# Allegro board A733_PRO2_AXP318_LPDDR4_4X_200BALL_32X1_V1_1.brd (continued)
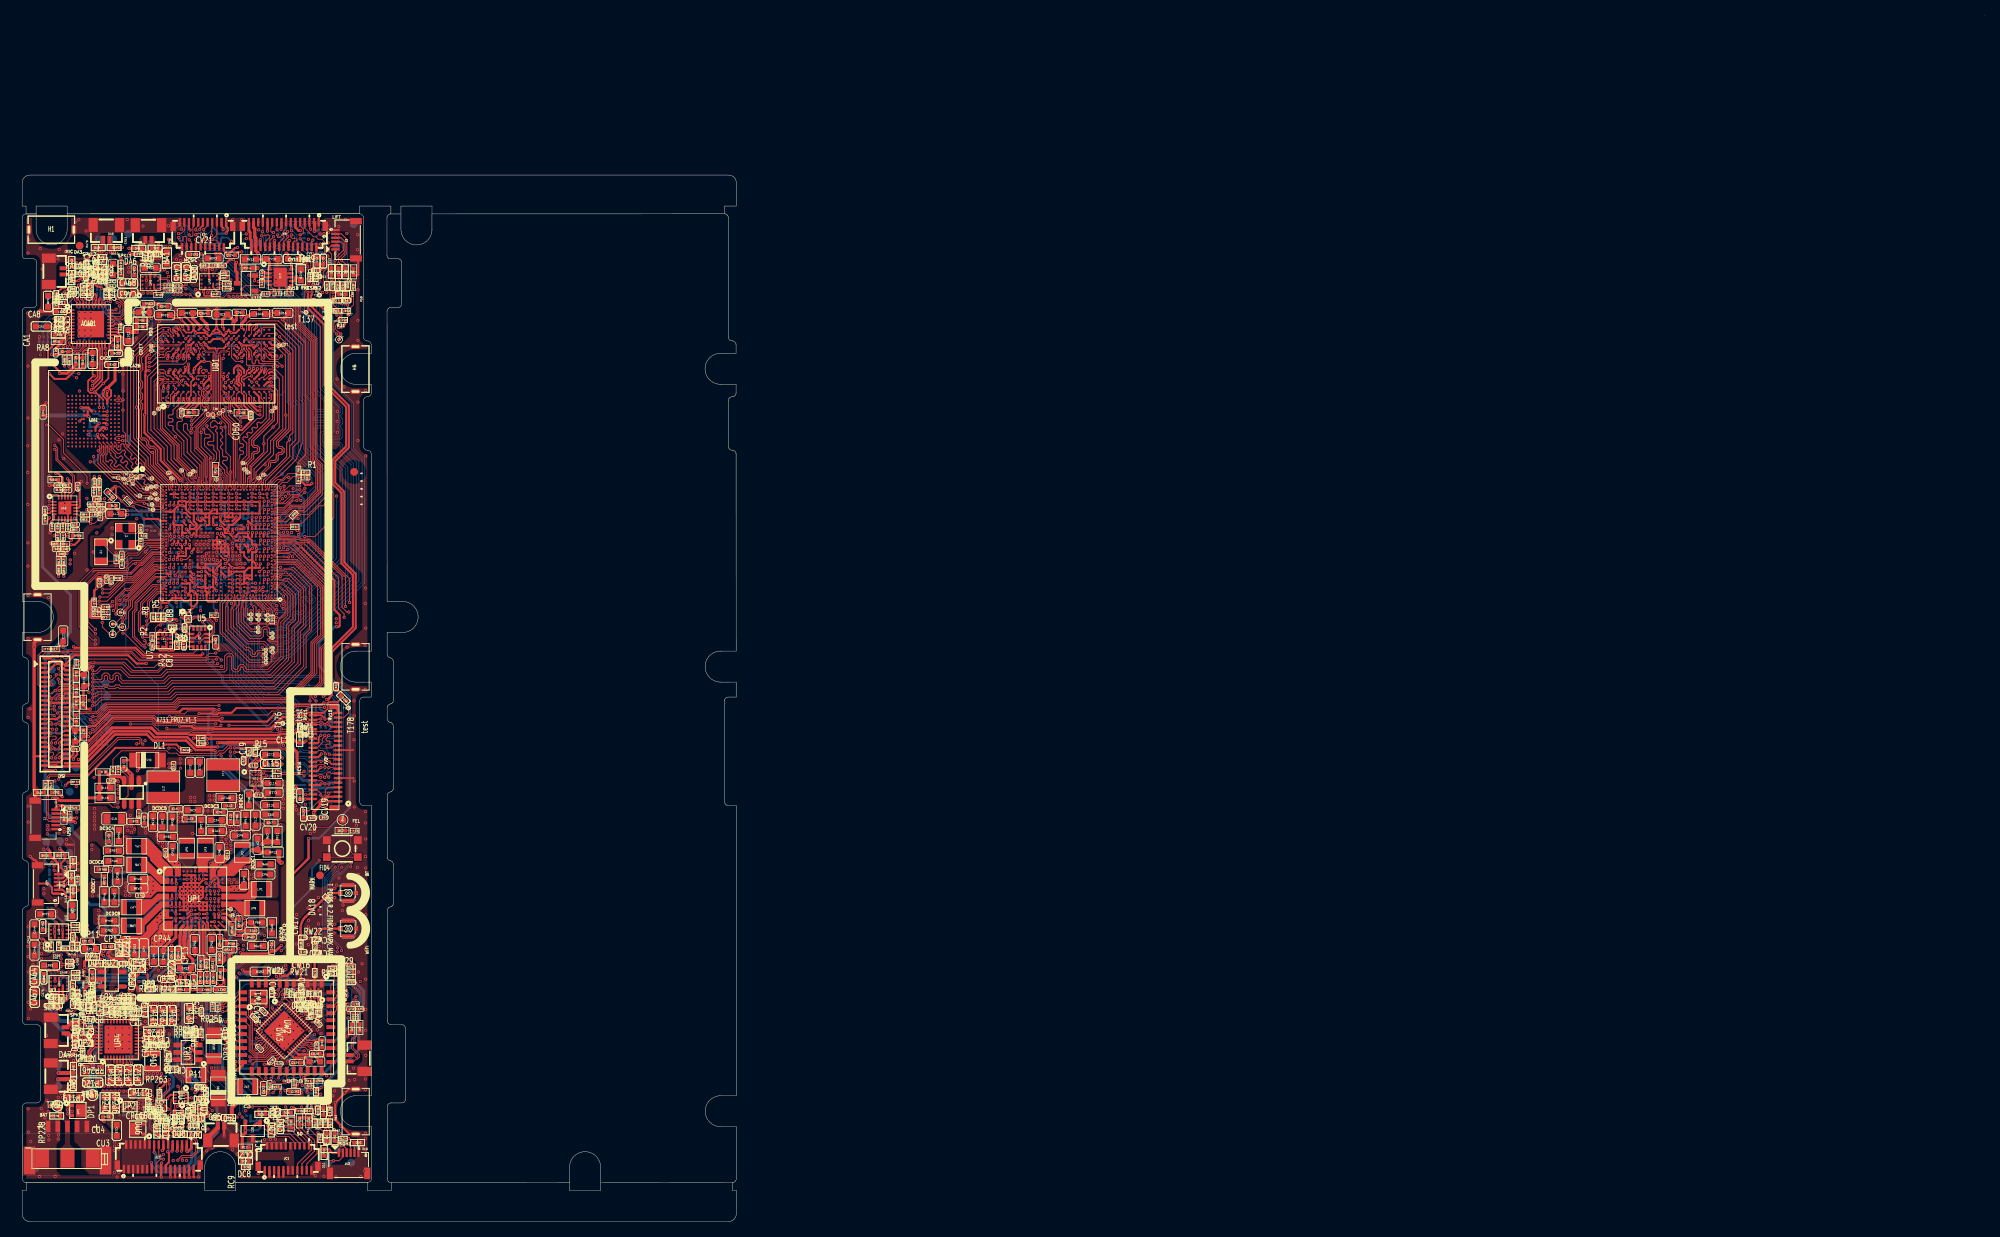
[diagram p0: board, top side]
## Placement (name value [footprint] x y rotation side) (continued)
TP57  VBAT  [TP100]  9.06 16.29 0 top
TP58  GND  [TP100]  1.71 6.83 180 bottom
TP59  TS  [TP100]  4.53 14.93 0 top
TP60  TP-SPI-MISO  [TP100]  8.11 70.22 180 bottom
TP61  TP-SPI-MOSI  [TP100]  3.83 71.21 180 bottom
TP62  TP-SPI-CLK  [TP100]  6.88 69.57 180 bottom
TP63  TP-SPI-CS0  [TP100]  3.86 69.48 180 bottom
TP64  TP-RST  [TP100]  6.89 67.99 180 bottom
TP65  TP-INT  [TP100]  6.67 66.46 180 bottom
TP66  TP-SDA  [TP100]  6.13 55.46 180 bottom
TP67  TP-SCK  [TP100]  4.35 55.82 180 bottom
TP68  0  [TP100]  10.73 69.4 180 bottom
TP69  0  [TP100]  8.31 71.61 180 bottom
TP70  0  [TP100]  10.94 67.8 180 bottom
TP71  0  [TP100]  10.48 66.36 180 bottom
TP72  0  [TP100]  11.12 65.01 180 bottom
TP73  0  [TP100]  11.13 63.36 180 bottom
TP74  0  [TP100]  5.74 60.15 180 bottom
TP75  0  [TP100]  5.9 61.94 180 bottom
TP76  0  [TP100]  6.95 58.56 180 bottom
TP77  0  [TP100]  5.18 57.85 180 bottom
TP97  HP-DET  [TP100]  6.6 43.71 180 bottom
TP98  HPOUTFB  [TP100]  4.9 49.07 180 bottom
TP99  HPOUTR  [TP100]  6.07 47.57 180 bottom
TP100  HS-MIC  [TP100]  6.18 41.19 180 bottom
TP101  HPOUTL  [TP100]  3.11 48.98 180 bottom
U1  A733-V0.1  [BGA570P40_50B1500_1500HXXX]  25.37 87.6 180 top
U2  QMI8658A/ICM-42670-P  [LGA14P50B250_300H81]  22.85 75.3 270 top
U5  MMC5603NJ  [BGA4P40B82_82H57]  21.39 77.76 0 top
U7  DA215S/MC3433  [LGA12P50B200_200H100]  18.34 74.94 270 top
UA1  AC101  [QFN40P0_40B5_00X5_00H0_75]  8.86 115.78 0 top
UA2  AW87391  [BGA16P50B200_250H55]  24.13 121.26 90 top
UA3  AW87391  [BGA16P50B200_250H55]  4.72 37.36 90 top
UA4  AW87391  [BGA16P50B200_250H55]  4.74 30.69 90 top
UA5  AW87391  [BGA16P50B200_250H55]  16.52 121.13 90 top
UA6  AC107  [QFN20P40B300_300H75]  5.51 92.06 0 top
UD1  LPDDR4_FBGA200  [BGA200P65_80B1000_1500H90]  25.03 110.65 90 top
UL1  OCP2131WPAD-G  [BGA15P40B144_200H63]  30.09 57.19 0 top
UL2  STI9287C  [SOT23-6]  14.1 55.37 180 top
UM1  eMMC_153BALL  [BGA153P50B1150_1300H109]  9.21 103.26 180 top
UNK*  *  [unnamed]  42.81 96.71 270 top
UNK*#2  *  [unnamed]  7.41 125.9 270 top
UP1  AXP318-WBBGA  [BGA147P50B800_800H113]  22.32 41.67 0 top
UP2  BCT72905/AW3291X  [FCQFN12P40B130_180H55]  13.92 14.81 0 top
UP3  LP6216  [SOT6P95B160_290H145]  21.38 21.82 180 top
UP4  AXP515  [QFN41P40B500_500H85]  12.43 23.49 90 top
UP5  NC/HUSB311  [BGA9P40B135_140H58]  17.94 14.96 90 top
UU1  WS4603E  [SOT23-5]  11.54 31.26 0 top
UU2  WAS4766C  [BGA9P40B117_117H58D5]  23.25 14.47 270 top
UU3  SGM7237B  [QFN10P40B140_180H55]  20.44 15.95 270 top
UV1  SGM3141B  [DFN11P50B300_300H75]  33.29 121.83 0 top
UW1  SLFD18-5R950G-07T  [DPX6P50B60_160H80]  37.71 29.4 180 top
UW2  AW8X9X  [SUB_WIFI44B1200_1200H150]  34.11 25.07 270 top
UW3  AIC8800D80  [QFN49P35B500_500H85]  33.8 24.57 315 top
Y1  24M/19.2M/26M-20pF-10ppm  [X4B250_320H120_SMD]  13.32 88.43 180 top
Y2  32.768K-12.5pF-20ppm  [X2B150_320H75_SMD]  10.16 86.41 270 top
YW1  40MHz  [X4B165_205H45_SMD]  30.49 28.95 90 top

## Library data of the parts
BA1 BA2 = INDUCTOR_0
C1 C3-C89 C92 C93 C95-C97 C108-C111 C116 C125 C128-C135 C257-C259 CA3 CA5-CA7 CA9 CA12 CA15 CA16 CA19 CA20 CA22 CA24 CA28-CA102 CD1-CD58 CM1-CM8 CP112 CP115 CP121 CP130 CP136 CP138 CP139 CU4-CU6 CV1-CV7 CV10-CV26 CW1 CW2 CW5-CW13 CW15-CW17 CW19-CW32 = C-C0402
CA1 CA2 CA10 CA11 CA18 = CAPACITOR_0: room: POWER
CA4 CA13 CA14 CA17 CA23 CA25 CA26 = CAPACITOR_0: room: AC100
CA8 CA21 CA27 CP1-CP4 CP6-CP8 CP10-CP13 CP15 CP17 CP20-CP25 CP28-CP33 CP35 CP37 CP38 CP40 CP41 CP43 CP44 CP46 CP48-CP51 CP55 CP56 CP58 CP103 CP116-CP120 CP122-CP127 CP129 CP132-CP135 CP137 CP140-CP143 CU1-CU3 = C-C0603
CC1 = C-C0402-X5R_0
CC2 = C-C0603-X5R_1
CL1 CL3-CL7 CL9-CL20 CV8 CV9 = CAPACITOR_0
CP5 CP9 CP18 CP27 CP34 CP39 CP47 CP52 CP59 = C-C0805
D1-D5 D7-D12 DA5-DA12 DC1-DC8 DL2-DL7 DU1-DU4 DU7-DU12 = ESD9B5VL
D6 = DIO-XBS104S14
DA1-DA4 DA13-DA18 = ESD9B5VL_0
DL1 DP3 = D_1
DP1 DU6 = DIODE SCHOTTKY_1
DP2 = LED-0805-G
FID1-FID4 = T POINT R_2: Tolerance: *; User Part Number: *
H1-H5 = CONN PWR 2-J_0
J1 JA7 = CLAP070LF02CW_5: User Part Number: #REF
J2 J12 = CLAP070LF02CW_13: User Part Number: #REF
J3-J10 J13 J14 = CON5
J11 = MOTOR AC_0
JA1-JA6 = CONN RCPT 1_1
JC1 = CLAP070LF02CW_6
JL1 = CON51PIN_CTP_1
JP1 = J_BAT
JP2 = J_BAT_TS
JU1 = CLAP070LF02CW_0
JV1 = HEADER 31_0
JV2 = FPC-39P-0.3MM
JV3 = FPC-21P-0.3MM
JW1 JW2 = ANT-IPX_2
K1 = MTP1112E_0
LL1 LL2 LP1-LP9 LW3-LW5 = INDUCTOR
LP10 = L-L3225
LP11 = L_4012
LU1 = ICMS212B900MFR_0: signal model: ICMS212B900MFR_0_LC4B120_200H12_NC/CMF0806UD900MFR
LW1 LW2 = INDUCTORS OF FERRITE
QC1 = PMOS-STS2301
QV1 = MOSFET N
R1 R6 R15 R17 R19 R28-R34 R36-R40 R42-R44 R46 R52 R53 R70 R71 RA5 RA7 RA11 RA13 RA19 RA21 RA23 RA25 RA30-RA36 RA39-RA60 RA64 RA72-RA98 RA100-RA103 RC3 RC4 RC6 RD1 RD2 RL34 RL35 RM2-RM6 RP3-RP5 RP8-RP10 RP19 RP22 RP23 RP29 RP32 RP33 RP36 RP38 RP55-RP57 RP225 RP228 RP234 RP236 RP237 RP240 RP243-RP245 RP247-RP250 RP253-RP259 RP261 RP263 RP265 RP266 RP271 RP272 RU1 RU2 RU5-RU7 RU9 RU10 RU14 RU15 RV1-RV11 RV13 RV14 RV16 RV19 RV22-RV26 RW4 RW9-RW15 RW17 RW18 RW21 RW22 RW24-RW29 RW31-RW38 RW60-RW62 = R-R0402-5%
R2 R5 R7 R9 R25-R27 R49-R51 R57-R64 RA61-RA63 RA65-RA69 RP6 RP11 RP13 RP14 RP17 RP24 RP30 RP41 RP45 RP49 RP54 RP267-RP270 = R-R0603-1%
R3 R4 R8 R10-R14 R18 R21-R24 R48 R66-R68 R72-R75 RD3-RD5 RM9 RP15 RP20 RU8 RV12 RV21 = R-R0402-1%
RA1-RA4 RA6 RA8-RA10 RA12 RA14-RA18 RA20 RA26-RA29 RA99 = R: room: AC100
RC1 RW1 = R-R0402-5%: signal model: R-R0402-5%_R0201_33R_33R
RC2 = R-R0603-5%_0
RC5 RC7-RC9 = R-R0402-5%_0
RL5 RL7-RL9 RL11 RL13 RL15-RL23 RL42 RL43 = RESISTOR
RL24-RL27 RL30-RL33 RL36-RL38 RL44 RL45 RL47 RL48 RV15 RV17 RV18 RV20 = R
RM1 = R-R0402-1%: signal model: R-R0402-1%_R0201_33R_33R
RP2 RP7 RP21 RP28 RP39 RP42 RP50 RP53 RP127 RP220 RP242 = R-R0603-1%_2
RP246 = SMR0805
RP251 RP252 = R-R0402-5%: signal model: R-R0402-5%_R0201_NC/470R_NC/470R
RU3 RU4 RU17 RU18 = R-R0402-5%: signal model: R-R0402-5%_R0201_0R_0R
RU11 RU12 = R-R0402-5%: signal model: R-R0402-5%_R0201_5.1R_5.1R
RU34 RU35 = R-R0402-5%: signal model: R-R0402-5%_R0201_NC/0R_NC/0R
T1-T44 T55-T62 T64-T113 T128-T178 = TestPoint-on wire
TP10 TP12 TP13 TP21-TP54 TP56-TP77 TP97-TP101 = TestPoint-SMD
U1 = A733-V1.0
U2 = ICM-42670-P
U5 = AK09918C
U7 = MC3433
UA1 = AC101&AC101B V0.2
UA2-UA5 = AW87391
UA6 = AC107s_standard_0
UD1 = LPDDR4_FBGA200
UL1 = uPC8236T6N_2
UL2 = AP3031_0: Tolerance: RichardLC
UM1 = eMMC_153BALL
UP1 = AXP318-WBBGA
UP2 = BCT72901
UP3 = LP6216
UP4 = AW1760_6
UP5 = HUSB311
UU1 = SY6280
UU2 = WAS4766C
UU3 = SGM7237B: signal model: SGM7237B_QFN10P40B140_180H55_SG_SGM7237B
UV1 = SGM3141_0
UW1 = DPX_1
UW2 = MODULE_AP6XXX_0
UW3 = AIC8800D80_0
Y1 = CRY-24MHz-3225-SMD
Y2 = CRY-32_0.768KHz-2X6-DIP
YW1 = Crystal_1

## Footprints (pads in the part's own frame, mm; a bottom-side part is the same pattern mirrored in y, then rotated)
45PIN_UD_FPC_863
  rect 0.3x0.8 smd: 1(0,0) 3(0.6,0) 5(1.2,0) 7(1.8,0) 9(2.4,0) 11(3,0) 13(3.6,0) 15(4.2,0) 17(4.8,0) 19(5.4,0) 21(6,0) 23(6.6,0) 25(7.2,0) 27(7.8,0) 29(8.4,0) 31(9,0) 33(9.6,0) 35(10.2,0) 37(10.8,0) 39(11.4,0) 41(12,0) 43(12.6,0) 45(13.2,0)
  rect 0.3x0.65 smd: 2(0.3,2.875) 4(0.9,2.875) 6(1.5,2.875) 8(2.1,2.875) 10(2.7,2.875) 12(3.3,2.875) 14(3.9,2.875) 16(4.5,2.875) 18(5.1,2.875) 20(5.7,2.875) 22(6.3,2.875) 24(6.9,2.875) 26(7.5,2.875) 28(8.1,2.875) 30(8.7,2.875) 32(9.3,2.875) 34(9.9,2.875) 36(10.5,2.875) 38(11.1,2.875) 40(11.7,2.875) 42(12.3,2.875) 44(12.9,2.875)
  rect 0.3x1.15 smd: 46(13.85,0.375) 47(-0.65,0.375)
BAT_SMD-3
  rect 1.78x2.29 smd: 1(-3.27,0) 2(0,0) 3(3.27,0)
BGA4P40B82_82H57
  round 0.25 smd: A1(-0.2,0.2) A2(0.2,0.2) B1(-0.2,-0.2) B2(0.2,-0.2)
BGA9P40B117_117H58D5
  custom 0.21x0.249 smd: A1(-0.4,0.4) A2(0,0.4)
  round 0.25 smd: A3(0.4,0.4) B1(-0.4,0) B2(0,0) B3(0.4,0) C1(-0.4,-0.4) C2(0,-0.4) C3(0.4,-0.4)
BGA9P40B135_140H58
  round 0.25 smd: A1(-0.4,0.4) A2(0,0.4) B1(-0.4,0) B2(0,0) C1(-0.4,-0.4) C2(0,-0.4) C3(0.4,-0.4)
  custom 0.249x0.21 smd: A3(0.4,0.4) B3(0.4,0)
BGA15P40B144_200H63
  round 0.25 smd: A1(-0.4,0.8) A2(0,0.8) B1(-0.4,0.4) B2(0,0.4) C1(-0.4,0) C2(0,0) D1(-0.4,-0.4) D2(0,-0.4) E1(-0.4,-0.8) E2(0,-0.8) E3(0.4,-0.8)
  custom 0.25x0.2 smd: A3(0.4,0.8) B3(0.4,0.4) C3(0.4,0) D3(0.4,-0.4)
BGA16P50B200_250H55
  round 0.24 smd: A1(-0.75,1) A2(-0.25,1) A3(0.25,1) A4(0.75,1) B1(-0.75,0.5) B4(0.75,0.5) C1(-0.75,0) C3(0.25,0) C4(0.75,0) D1(-0.75,-0.5) D2(-0.25,-0.5) D4(0.75,-0.5) E1(-0.75,-1) E2(-0.25,-1) E3(0.25,-1) E4(0.75,-1)
BGA147P50B800_800H113
  round 0.27 smd: A1(-3.5,3.5) A2(-3,3.5) A3(-2.5,3.5) A4(-2,3.5) A5(-1.5,3.5) A6(-1,3.5) A7(-0.5,3.5) A8(0,3.5) A9(0.5,3.5) A10(1,3.5) A11(1.5,3.5) A12(2,3.5) A13(2.5,3.5) A14(3,3.5) A15(3.5,3.5) B1(-3.5,3) B2(-3,3) B3(-2.5,3) B4(-2,3) B5(-1.5,3) B7(-0.5,3) B8(0,3) B9(0.5,3) B11(1.5,3) B12(2,3) B13(2.5,3) B14(3,3) B15(3.5,3) C1(-3.5,2.5) C2(-3,2.5) C3(-2.5,2.5) C5(-1.5,2.5) C11(1.5,2.5) C12(2,2.5) C13(2.5,2.5) C15(3.5,2.5) D1(-3.5,2) D5(-1.5,2) D7(-0.5,2) D9(0.5,2) D14(3,2) D15(3.5,2) E1(-3.5,1.5) E2(-3,1.5) E3(-2.5,1.5) E4(-2,1.5) E6(-1,1.5) E8(0,1.5) E10(1,1.5) E11(1.5,1.5) E12(2,1.5) E13(2.5,1.5) E14(3,1.5) E15(3.5,1.5) F1(-3.5,1) F2(-3,1) F3(-2.5,1) F5(-1.5,1) F7(-0.5,1) F9(0.5,1) F15(3.5,1) G1(-3.5,0.5) G2(-3,0.5) G3(-2.5,0.5) G4(-2,0.5) G6(-1,0.5) G8(0,0.5) G10(1,0.5) G11(1.5,0.5) G12(2,0.5) G13(2.5,0.5) G14(3,0.5) G15(3.5,0.5) H1(-3.5,0) H5(-1.5,0) H7(-0.5,0) H9(0.5,0) H15(3.5,0) J1(-3.5,-0.5) J2(-3,-0.5) J3(-2.5,-0.5) J4(-2,-0.5) J6(-1,-0.5) J8(0,-0.5) J10(1,-0.5) J11(1.5,-0.5) J12(2,-0.5) J13(2.5,-0.5) J14(3,-0.5) J15(3.5,-0.5) K1(-3.5,-1) K5(-1.5,-1) K7(-0.5,-1) K9(0.5,-1) K15(3.5,-1) L1(-3.5,-1.5) L2(-3,-1.5) L3(-2.5,-1.5) L4(-2,-1.5) L6(-1,-1.5) L8(0,-1.5) L10(1,-1.5) L11(1.5,-1.5) L12(2,-1.5) L13(2.5,-1.5) L14(3,-1.5) L15(3.5,-1.5) M1(-3.5,-2) M4(-2,-2) M6(-1,-2) M8(0,-2) M10(1,-2) M15(3.5,-2) N1(-3.5,-2.5) N2(-3,-2.5) N4(-2,-2.5) N6(-1,-2.5) N8(0,-2.5) N10(1,-2.5) N13(2.5,-2.5) N14(3,-2.5) N15(3.5,-2.5) P1(-3.5,-3) P2(-3,-3) P3(-2.5,-3) P4(-2,-3) P5(-1.5,-3) P6(-1,-3) P7(-0.5,-3) P8(0,-3) P9(0.5,-3) P10(1,-3) P11(1.5,-3) P12(2,-3) P14(3,-3) P15(3.5,-3) R1(-3.5,-3.5) R2(-3,-3.5) R3(-2.5,-3.5) R5(-1.5,-3.5) R7(-0.5,-3.5) R8(0,-3.5) R10(1,-3.5) R12(2,-3.5) R13(2.5,-3.5) R14(3,-3.5) R15(3.5,-3.5)
BGA153P50B1150_1300H109
  oval 0.195x0.321 smd: A1(-3.25,3.25) A2(-2.75,3.25) A3(-2.25,3.25) A4(-1.75,3.25) A5(-1.25,3.25) A6(-0.75,3.25) A7(-0.25,3.25) A8(0.25,3.25) A9(0.75,3.25) A10(1.25,3.25) A11(1.75,3.25) A12(2.25,3.25) A13(2.75,3.25) P2(-2.75,-3.25) P3(-2.25,-3.25) P4(-1.75,-3.25) P5(-1.25,-3.25) P6(-0.75,-3.25) P7(-0.25,-3.25) P8(0.25,-3.25) P9(0.75,-3.25) P10(1.25,-3.25) P11(1.75,-3.25) P12(2.25,-3.25) P13(2.75,-3.25) P14(3.25,-3.25)
  oval 0.321x0.195 smd: A14(3.25,3.25) B1(-3.25,2.75) B14(3.25,2.75) C1(-3.25,2.25) C14(3.25,2.25) D1(-3.25,1.75) D14(3.25,1.75) E1(-3.25,1.25) E14(3.25,1.25) F1(-3.25,0.75) F14(3.25,0.75) G1(-3.25,0.25) G14(3.25,0.25) H1(-3.25,-0.25) H14(3.25,-0.25) J1(-3.25,-0.75) J14(3.25,-0.75) K1(-3.25,-1.25) K14(3.25,-1.25) L1(-3.25,-1.75) L14(3.25,-1.75) M1(-3.25,-2.25) M14(3.25,-2.25) N1(-3.25,-2.75) N14(3.25,-2.75) P1(-3.25,-3.25)
  round 0.25 smd: B2(-2.75,2.75) B3(-2.25,2.75) B4(-1.75,2.75) B5(-1.25,2.75) B6(-0.75,2.75) B7(-0.25,2.75) B8(0.25,2.75) B9(0.75,2.75) B10(1.25,2.75) B11(1.75,2.75) B12(2.25,2.75) B13(2.75,2.75) C2(-2.75,2.25) C3(-2.25,2.25) C4(-1.75,2.25) C5(-1.25,2.25) C6(-0.75,2.25) C7(-0.25,2.25) C8(0.25,2.25) C9(0.75,2.25) C10(1.25,2.25) C11(1.75,2.25) C12(2.25,2.25) C13(2.75,2.25) D2(-2.75,1.75) D3(-2.25,1.75) D4(-1.75,1.75) D12(2.25,1.75) D13(2.75,1.75) E2(-2.75,1.25) E3(-2.25,1.25) E5(-1.25,1.25) E6(-0.75,1.25) E7(-0.25,1.25) E8(0.25,1.25) E9(0.75,1.25) E10(1.25,1.25) E12(2.25,1.25) E13(2.75,1.25) F2(-2.75,0.75) F3(-2.25,0.75) F5(-1.25,0.75) F10(1.25,0.75) F12(2.25,0.75) F13(2.75,0.75) G2(-2.75,0.25) G3(-2.25,0.25) G5(-1.25,0.25) G10(1.25,0.25) G12(2.25,0.25) G13(2.75,0.25) H2(-2.75,-0.25) H3(-2.25,-0.25) H5(-1.25,-0.25) H10(1.25,-0.25) H12(2.25,-0.25) H13(2.75,-0.25) J2(-2.75,-0.75) J3(-2.25,-0.75) J5(-1.25,-0.75) J10(1.25,-0.75) J12(2.25,-0.75) J13(2.75,-0.75) K2(-2.75,-1.25) K3(-2.25,-1.25) K5(-1.25,-1.25) K6(-0.75,-1.25) K7(-0.25,-1.25) K8(0.25,-1.25) K9(0.75,-1.25) K10(1.25,-1.25) K12(2.25,-1.25) K13(2.75,-1.25) L2(-2.75,-1.75) L3(-2.25,-1.75) L12(2.25,-1.75) L13(2.75,-1.75) M2(-2.75,-2.25) M3(-2.25,-2.25) M4(-1.75,-2.25) M5(-1.25,-2.25) M6(-0.75,-2.25) M7(-0.25,-2.25) M8(0.25,-2.25) M9(0.75,-2.25) M10(1.25,-2.25) M11(1.75,-2.25) M12(2.25,-2.25) M13(2.75,-2.25) N2(-2.75,-2.75) N3(-2.25,-2.75) N4(-1.75,-2.75) N5(-1.25,-2.75) N6(-0.75,-2.75) N7(-0.25,-2.75) N8(0.25,-2.75) N9(0.75,-2.75) N10(1.25,-2.75) N11(1.75,-2.75) N12(2.25,-2.75) N13(2.75,-2.75)
BGA200P65_80B1000_1500H90
  round 0.27 smd: A1(-4.4,6.825) A2(-3.6,6.825) A3(-2.8,6.825) A4(-2,6.825) A5(-1.2,6.825) A8(1.2,6.825) A9(2,6.825) A10(2.8,6.825) A11(3.6,6.825) A12(4.4,6.825) AA1(-4.4,-6.175) AA2(-3.6,-6.175) AA3(-2.8,-6.175) AA4(-2,-6.175) AA5(-1.2,-6.175) AA8(1.2,-6.175) AA9(2,-6.175) AA10(2.8,-6.175) AA11(3.6,-6.175) AA12(4.4,-6.175) AB1(-4.4,-6.825) AB2(-3.6,-6.825) AB3(-2.8,-6.825) AB4(-2,-6.825) AB5(-1.2,-6.825) AB8(1.2,-6.825) AB9(2,-6.825) AB10(2.8,-6.825) AB11(3.6,-6.825) AB12(4.4,-6.825) B1(-4.4,6.175) B2(-3.6,6.175) B3(-2.8,6.175) B4(-2,6.175) B5(-1.2,6.175) B8(1.2,6.175) B9(2,6.175) B10(2.8,6.175) B11(3.6,6.175) B12(4.4,6.175) C1(-4.4,5.525) C2(-3.6,5.525) C3(-2.8,5.525) C4(-2,5.525) C5(-1.2,5.525) C8(1.2,5.525) C9(2,5.525) C10(2.8,5.525) C11(3.6,5.525) C12(4.4,5.525) D1(-4.4,4.875) D2(-3.6,4.875) D3(-2.8,4.875) D4(-2,4.875) D5(-1.2,4.875) D8(1.2,4.875) D9(2,4.875) D10(2.8,4.875) D11(3.6,4.875) D12(4.4,4.875) E1(-4.4,4.225) E2(-3.6,4.225) E3(-2.8,4.225) E4(-2,4.225) E5(-1.2,4.225) E8(1.2,4.225) E9(2,4.225) E10(2.8,4.225) E11(3.6,4.225) E12(4.4,4.225) F1(-4.4,3.575) F2(-3.6,3.575) F3(-2.8,3.575) F4(-2,3.575) F5(-1.2,3.575) F8(1.2,3.575) F9(2,3.575) F10(2.8,3.575) F11(3.6,3.575) F12(4.4,3.575) G1(-4.4,2.925) G2(-3.6,2.925) G3(-2.8,2.925) G4(-2,2.925) G5(-1.2,2.925) G8(1.2,2.925) G9(2,2.925) G10(2.8,2.925) G11(3.6,2.925) G12(4.4,2.925) H1(-4.4,2.275) H2(-3.6,2.275) H3(-2.8,2.275) H4(-2,2.275) H5(-1.2,2.275) H8(1.2,2.275) H9(2,2.275) H10(2.8,2.275) H11(3.6,2.275) H12(4.4,2.275) J1(-4.4,1.625) J2(-3.6,1.625) J3(-2.8,1.625) J4(-2,1.625) J5(-1.2,1.625) J8(1.2,1.625) J9(2,1.625) J10(2.8,1.625) J11(3.6,1.625) J12(4.4,1.625) K1(-4.4,0.975) K2(-3.6,0.975) K3(-2.8,0.975) K4(-2,0.975) K5(-1.2,0.975) K8(1.2,0.975) K9(2,0.975) K10(2.8,0.975) K11(3.6,0.975) K12(4.4,0.975) N1(-4.4,-0.975) N2(-3.6,-0.975) N3(-2.8,-0.975) N4(-2,-0.975) N5(-1.2,-0.975) N8(1.2,-0.975) N9(2,-0.975) N10(2.8,-0.975) N11(3.6,-0.975) N12(4.4,-0.975) P1(-4.4,-1.625) P2(-3.6,-1.625) P3(-2.8,-1.625) P4(-2,-1.625) P5(-1.2,-1.625) P8(1.2,-1.625) P9(2,-1.625) P10(2.8,-1.625) P11(3.6,-1.625) P12(4.4,-1.625) R1(-4.4,-2.275) R2(-3.6,-2.275) R3(-2.8,-2.275) R4(-2,-2.275) R5(-1.2,-2.275) R8(1.2,-2.275) R9(2,-2.275) R10(2.8,-2.275) R11(3.6,-2.275) R12(4.4,-2.275) T1(-4.4,-2.925) T2(-3.6,-2.925) T3(-2.8,-2.925) T4(-2,-2.925) T5(-1.2,-2.925) T8(1.2,-2.925) T9(2,-2.925) T10(2.8,-2.925) T11(3.6,-2.925) T12(4.4,-2.925) U1(-4.4,-3.575) U2(-3.6,-3.575) U3(-2.8,-3.575) U4(-2,-3.575) U5(-1.2,-3.575) U8(1.2,-3.575) U9(2,-3.575) U10(2.8,-3.575) U11(3.6,-3.575) U12(4.4,-3.575) V1(-4.4,-4.225) V2(-3.6,-4.225) V3(-2.8,-4.225) V4(-2,-4.225) V5(-1.2,-4.225) V8(1.2,-4.225) V9(2,-4.225) V10(2.8,-4.225) V11(3.6,-4.225) V12(4.4,-4.225) W1(-4.4,-4.875) W2(-3.6,-4.875) W3(-2.8,-4.875) W4(-2,-4.875) W5(-1.2,-4.875) W8(1.2,-4.875) W9(2,-4.875) W10(2.8,-4.875) W11(3.6,-4.875) W12(4.4,-4.875) Y1(-4.4,-5.525) Y2(-3.6,-5.525) Y3(-2.8,-5.525) Y4(-2,-5.525) Y5(-1.2,-5.525) Y8(1.2,-5.525) Y9(2,-5.525) Y10(2.8,-5.525) Y11(3.6,-5.525) Y12(4.4,-5.525)
BGA570P40_50B1500_1500HXXX
  round 0.25 smd: 1A1(-6.25,6.25) 1A3(-5.25,6.25) 1A5(-4.25,6.25) 1A7(-3.25,6.25) 1A9(-2.25,6.25) 1A11(-1.25,6.25) 1A13(-0.25,6.25) 1A15(0.75,6.25) 1A17(1.75,6.25) 1A19(2.75,6.25) 1A21(3.75,6.25) 1A23(4.75,6.25) 1A25(5.75,6.25) 1AA1(-6.25,-3.75) 1AA2(-5.75,-3.75) 1AA3(-5.25,-3.75) 1AA4(-4.75,-3.75) 1AA5(-4.25,-3.75) 1AA6(-3.75,-3.75) 1AA8(-2.75,-3.75) 1AA10(-1.75,-3.75) 1AA12(-0.75,-3.75) 1AA14(0.25,-3.75) 1AA16(1.25,-3.75) 1AA17(1.75,-3.75) 1AA18(2.25,-3.75) 1AA20(3.25,-3.75) 1AB6(-3.75,-4.25) 1AB8(-2.75,-4.25) 1AB10(-1.75,-4.25) 1AB12(-0.75,-4.25) 1AB14(0.25,-4.25) 1AB16(1.25,-4.25) 1AB18(2.25,-4.25) 1AB20(3.25,-4.25) 1AB23(4.75,-4.25) 1AB24(5.25,-4.25) 1AB25(5.75,-4.25) 1AB26(6.25,-4.25) 1AC1(-6.25,-4.75) 1AC2(-5.75,-4.75) 1AC3(-5.25,-4.75) 1AC4(-4.75,-4.75) 1AC6(-3.75,-4.75) 1AC8(-2.75,-4.75) 1AC10(-1.75,-4.75) 1AC12(-0.75,-4.75) 1AC14(0.25,-4.75) 1AC16(1.25,-4.75) 1AC18(2.25,-4.75) 1AC20(3.25,-4.75) 1AC22(4.25,-4.75) 1AD4(-4.75,-5.25) 1AD6(-3.75,-5.25) 1AD8(-2.75,-5.25) 1AD10(-1.75,-5.25) 1AD12(-0.75,-5.25) 1AD14(0.25,-5.25) 1AD16(1.25,-5.25) 1AD18(2.25,-5.25) 1AD20(3.25,-5.25) 1AD22(4.25,-5.25) 1AD24(5.25,-5.25) 1AD25(5.75,-5.25) 1AD26(6.25,-5.25) 1AE1(-6.25,-5.75) 1AE2(-5.75,-5.75) 1AE4(-4.75,-5.75) 1AE6(-3.75,-5.75) 1AE8(-2.75,-5.75) 1AE10(-1.75,-5.75) 1AE12(-0.75,-5.75) 1AE14(0.25,-5.75) 1AE16(1.25,-5.75) 1AE18(2.25,-5.75) 1AE20(3.25,-5.75) 1AE22(4.25,-5.75) 1AE24(5.25,-5.75) 1AF2(-5.75,-6.25) 1AF4(-4.75,-6.25) 1AF6(-3.75,-6.25) 1AF8(-2.75,-6.25) 1AF10(-1.75,-6.25) 1AF12(-0.75,-6.25) 1AF14(0.25,-6.25) 1AF16(1.25,-6.25) 1AF18(2.25,-6.25) 1AF20(3.25,-6.25) 1AF22(4.25,-6.25) 1AF24(5.25,-6.25) 1AF26(6.25,-6.25) 1B3(-5.25,5.75) 1B5(-4.25,5.75) 1B7(-3.25,5.75) 1B9(-2.25,5.75) 1B11(-1.25,5.75) 1B13(-0.25,5.75) 1B15(0.75,5.75) 1B17(1.75,5.75) 1B19(2.75,5.75) 1B21(3.75,5.75) 1B23(4.75,5.75) 1B25(5.75,5.75) 1B26(6.25,5.75) 1C1(-6.25,5.25) 1C2(-5.75,5.25) 1C3(-5.25,5.25) 1C5(-4.25,5.25) 1C7(-3.25,5.25) 1C9(-2.25,5.25) 1C11(-1.25,5.25) 1C13(-0.25,5.25) 1C15(0.75,5.25) 1C17(1.75,5.25) 1C19(2.75,5.25) 1C21(3.75,5.25) 1C23(4.75,5.25) 1D5(-4.25,4.75) 1D7(-3.25,4.75) 1D9(-2.25,4.75) 1D11(-1.25,4.75) 1D13(-0.25,4.75) 1D15(0.75,4.75) 1D17(1.75,4.75) 1D19(2.75,4.75) 1D21(3.75,4.75) 1D23(4.75,4.75) 1D24(5.25,4.75) 1D25(5.75,4.75) 1D26(6.25,4.75) 1E1(-6.25,4.25) 1E2(-5.75,4.25) 1E3(-5.25,4.25) 1E4(-4.75,4.25) 1E5(-4.25,4.25) 1E7(-3.25,4.25) 1E9(-2.25,4.25) 1E11(-1.25,4.25) 1E13(-0.25,4.25) 1E15(0.75,4.25) 1E17(1.75,4.25) 1E19(2.75,4.25) 1E21(3.75,4.25) 1F7(-3.25,3.75) 1F9(-2.25,3.75) 1F11(-1.25,3.75) 1F13(-0.25,3.75) 1F15(0.75,3.75) 1F17(1.75,3.75) 1F19(2.75,3.75) 1F21(3.75,3.75) 1F22(4.25,3.75) 1F23(4.75,3.75) 1F24(5.25,3.75) 1F25(5.75,3.75) 1F26(6.25,3.75) 1G1(-6.25,3.25) 1G2(-5.75,3.25) 1G3(-5.25,3.25) 1G4(-4.75,3.25) 1G5(-4.25,3.25) 1G7(-3.25,3.25) 1G9(-2.25,3.25) 1G11(-1.25,3.25) 1G13(-0.25,3.25) 1G15(0.75,3.25) 1G17(1.75,3.25) 1G19(2.75,3.25) 1H11(-1.25,2.75) 1H13(-0.25,2.75) 1H14(0.25,2.75) 1H17(1.75,2.75) 1H19(2.75,2.75) 1H21(3.75,2.75) 1H22(4.25,2.75) 1H23(4.75,2.75) 1H24(5.25,2.75) 1H25(5.75,2.75) 1H26(6.25,2.75) 1J1(-6.25,2.25) 1J2(-5.75,2.25) 1J3(-5.25,2.25) 1J4(-4.75,2.25) 1J5(-4.25,2.25) 1J6(-3.75,2.25) 1J9(-2.25,2.25) 1J10(-1.75,2.25) 1J11(-1.25,2.25) 1J13(-0.25,2.25) 1J18(2.25,2.25) 1J19(2.75,2.25) 1J21(3.75,2.25) 1K9(-2.25,1.75) 1K12(-0.75,1.75) 1K13(-0.25,1.75) 1K14(0.25,1.75) 1K15(0.75,1.75) 1K16(1.25,1.75) 1K17(1.75,1.75) 1K19(2.75,1.75) 1K21(3.75,1.75) 1K22(4.25,1.75) 1K23(4.75,1.75) 1K24(5.25,1.75) 1K25(5.75,1.75) 1K26(6.25,1.75) 1L1(-6.25,1.25) 1L2(-5.75,1.25) 1L3(-5.25,1.25) 1L4(-4.75,1.25) 1L5(-4.25,1.25) 1L6(-3.75,1.25) 1L7(-3.25,1.25) 1L8(-2.75,1.25) 1L9(-2.25,1.25) 1L10(-1.75,1.25) 1L11(-1.25,1.25) 1L12(-0.75,1.25) 1L13(-0.25,1.25) 1L15(0.75,1.25) 1L16(1.25,1.25) 1L18(2.25,1.25) 1M10(-1.75,0.75) 1M11(-1.25,0.75) 1M13(-0.25,0.75) 1M14(0.25,0.75) 1M16(1.25,0.75) 1M17(1.75,0.75) 1M18(2.25,0.75) 1M19(2.75,0.75) 1M20(3.25,0.75) 1M21(3.75,0.75) 1M22(4.25,0.75) 1M23(4.75,0.75) 1M24(5.25,0.75) 1M25(5.75,0.75) 1M26(6.25,0.75) 1N1(-6.25,0.25) 1N2(-5.75,0.25) 1N3(-5.25,0.25) 1N4(-4.75,0.25) 1N5(-4.25,0.25) 1N6(-3.75,0.25) 1N7(-3.25,0.25) 1N8(-2.75,0.25) 1N9(-2.25,0.25) 1N12(-0.75,0.25) 1N14(0.25,0.25) 1N15(0.75,0.25) 1P9(-2.25,-0.25) 1P14(0.25,-0.25) 1P15(0.75,-0.25) 1P17(1.75,-0.25) 1P18(2.25,-0.25) 1P19(2.75,-0.25) 1P21(3.75,-0.25) 1P22(4.25,-0.25) 1P23(4.75,-0.25) 1P24(5.25,-0.25) 1P25(5.75,-0.25) 1P26(6.25,-0.25) 1R1(-6.25,-0.75) 1R2(-5.75,-0.75) 1R3(-5.25,-0.75) 1R4(-4.75,-0.75) 1R5(-4.25,-0.75) 1R6(-3.75,-0.75) 1R7(-3.25,-0.75) 1R8(-2.75,-0.75) 1R9(-2.25,-0.75) 1R12(-0.75,-0.75) 1R13(-0.25,-0.75) 1R14(0.25,-0.75) 1T12(-0.75,-1.25) 1T15(0.75,-1.25) 1T16(1.25,-1.25) 1T17(1.75,-1.25) 1T18(2.25,-1.25) 1T20(3.25,-1.25) 1T21(3.75,-1.25) 1T22(4.25,-1.25) 1T23(4.75,-1.25) 1T24(5.25,-1.25) 1T25(5.75,-1.25) 1T26(6.25,-1.25) 1U1(-6.25,-1.75) 1U2(-5.75,-1.75) 1U3(-5.25,-1.75) 1U4(-4.75,-1.75) 1U5(-4.25,-1.75) 1U6(-3.75,-1.75) 1U8(-2.75,-1.75) 1U10(-1.75,-1.75) 1U12(-0.75,-1.75) 1U13(-0.25,-1.75) 1U18(2.25,-1.75) 1U21(3.75,-1.75) 1V8(-2.75,-2.25) 1V10(-1.75,-2.25) 1V11(-1.25,-2.25) 1V12(-0.75,-2.25) 1V14(0.25,-2.25) 1V16(1.25,-2.25) 1V18(2.25,-2.25) 1V20(3.25,-2.25) 1V21(3.75,-2.25) 1V22(4.25,-2.25) 1V23(4.75,-2.25) 1V24(5.25,-2.25) 1V25(5.75,-2.25) 1V26(6.25,-2.25) 1W1(-6.25,-2.75) 1W2(-5.75,-2.75) 1W3(-5.25,-2.75) 1W4(-4.75,-2.75) 1W5(-4.25,-2.75) 1W6(-3.75,-2.75) 1W9(-2.25,-2.75) 1W10(-1.75,-2.75) 1W11(-1.25,-2.75) 1W15(0.75,-2.75) 1W16(1.25,-2.75) 1W17(1.75,-2.75) 1W18(2.25,-2.75) 1W20(3.25,-2.75) 1Y8(-2.75,-3.25) 1Y10(-1.75,-3.25) 1Y11(-1.25,-3.25) 1Y12(-0.75,-3.25) 1Y14(0.25,-3.25) 1Y16(1.25,-3.25) 1Y17(1.75,-3.25) 1Y21(3.75,-3.25) 1Y22(4.25,-3.25) 1Y23(4.75,-3.25) 1Y24(5.25,-3.25) 1Y25(5.75,-3.25) 1Y26(6.25,-3.25) A1(-7.2,7.2) A2(-6.8,7.2) A4(-6,7.2) A6(-5.2,7.2) A7(-4.8,7.2) A9(-4,7.2) A10(-3.6,7.2) A12(-2.8,7.2) A13(-2.4,7.2) A15(-1.6,7.2) A16(-1.2,7.2) A18(-0.4,7.2) A19(0,7.2) A21(0.8,7.2) A22(1.2,7.2) A24(2,7.2) A25(2.4,7.2) A27(3.2,7.2) A28(3.6,7.2) A30(4.4,7.2) A31(4.8,7.2) A33(5.6,7.2) A34(6,7.2) A36(6.8,7.2) A37(7.2,7.2) AA1(-7.2,-0.8) AA2(-6.8,-0.8) AA36(6.8,-0.8) AA37(7.2,-0.8) AB1(-7.2,-1.2) AB2(-6.8,-1.2) AB36(6.8,-1.2) AB37(7.2,-1.2) AC2(-6.8,-1.6) AC36(6.8,-1.6) AD1(-7.2,-2) AD2(-6.8,-2) AD36(6.8,-2) AD37(7.2,-2) AE1(-7.2,-2.4) AE2(-6.8,-2.4) AE36(6.8,-2.4) AE37(7.2,-2.4) AF2(-6.8,-2.8) AF36(6.8,-2.8) AG1(-7.2,-3.2) AG2(-6.8,-3.2) AG36(6.8,-3.2) AG37(7.2,-3.2) AH1(-7.2,-3.6) AH2(-6.8,-3.6) AH36(6.8,-3.6) AH37(7.2,-3.6) AJ2(-6.8,-4) AJ36(6.8,-4) AK1(-7.2,-4.4) AK2(-6.8,-4.4) AK36(6.8,-4.4) AK37(7.2,-4.4) AL1(-7.2,-4.8) AL2(-6.8,-4.8) AL36(6.8,-4.8) AL37(7.2,-4.8) AM2(-6.8,-5.2) AM36(6.8,-5.2) AN1(-7.2,-5.6) AN2(-6.8,-5.6) AN36(6.8,-5.6) AN37(7.2,-5.6) AP1(-7.2,-6) AP2(-6.8,-6) AP36(6.8,-6) AP37(7.2,-6) AR2(-6.8,-6.4) AR36(6.8,-6.4) AT1(-7.2,-6.8) AT2(-6.8,-6.8) AT3(-6.4,-6.8) AT4(-6,-6.8) AT5(-5.6,-6.8) AT6(-5.2,-6.8) AT7(-4.8,-6.8) AT8(-4.4,-6.8) AT9(-4,-6.8) AT10(-3.6,-6.8) AT11(-3.2,-6.8) AT12(-2.8,-6.8) AT13(-2.4,-6.8) AT14(-2,-6.8) AT15(-1.6,-6.8) AT16(-1.2,-6.8) AT17(-0.8,-6.8) AT18(-0.4,-6.8) AT19(0,-6.8) AT20(0.4,-6.8) AT21(0.8,-6.8) AT22(1.2,-6.8) AT23(1.6,-6.8) AT24(2,-6.8) AT25(2.4,-6.8) AT26(2.8,-6.8) AT27(3.2,-6.8) AT28(3.6,-6.8) AT29(4,-6.8) AT30(4.4,-6.8) AT31(4.8,-6.8) AT32(5.2,-6.8) AT33(5.6,-6.8) AT34(6,-6.8) AT35(6.4,-6.8) AT36(6.8,-6.8) AT37(7.2,-6.8) AU1(-7.2,-7.2) AU2(-6.8,-7.2) AU4(-6,-7.2) AU6(-5.2,-7.2) AU7(-4.8,-7.2) AU9(-4,-7.2) AU10(-3.6,-7.2) AU12(-2.8,-7.2) AU13(-2.4,-7.2) AU15(-1.6,-7.2) AU16(-1.2,-7.2) AU18(-0.4,-7.2) AU19(0,-7.2) AU21(0.8,-7.2) AU22(1.2,-7.2) AU24(2,-7.2) AU25(2.4,-7.2) AU27(3.2,-7.2) AU28(3.6,-7.2) AU30(4.4,-7.2) AU31(4.8,-7.2) AU33(5.6,-7.2) AU34(6,-7.2) AU36(6.8,-7.2) AU37(7.2,-7.2) B1(-7.2,6.8) B2(-6.8,6.8) B3(-6.4,6.8) B4(-6,6.8) B5(-5.6,6.8) B6(-5.2,6.8) B7(-4.8,6.8) B8(-4.4,6.8) B9(-4,6.8) B10(-3.6,6.8) B11(-3.2,6.8) B12(-2.8,6.8) B13(-2.4,6.8) B14(-2,6.8) B15(-1.6,6.8) B16(-1.2,6.8) B17(-0.8,6.8) B18(-0.4,6.8) B19(0,6.8) B20(0.4,6.8) B21(0.8,6.8) B22(1.2,6.8) B23(1.6,6.8) B24(2,6.8) B25(2.4,6.8) B26(2.8,6.8) B27(3.2,6.8) B28(3.6,6.8) B29(4,6.8) B30(4.4,6.8) B31(4.8,6.8) B32(5.2,6.8) B33(5.6,6.8) B34(6,6.8) B35(6.4,6.8) B36(6.8,6.8) B37(7.2,6.8) C2(-6.8,6.4) C36(6.8,6.4) D1(-7.2,6) D2(-6.8,6) D36(6.8,6) D37(7.2,6) E2(-6.8,5.6) E36(6.8,5.6) F1(-7.2,5.2) F2(-6.8,5.2) F36(6.8,5.2) F37(7.2,5.2) G1(-7.2,4.8) G2(-6.8,4.8) G36(6.8,4.8) G37(7.2,4.8) H2(-6.8,4.4) H36(6.8,4.4) J1(-7.2,4) J2(-6.8,4) J36(6.8,4) J37(7.2,4) K1(-7.2,3.6) K2(-6.8,3.6) K36(6.8,3.6) K37(7.2,3.6) L2(-6.8,3.2) L36(6.8,3.2) M1(-7.2,2.8) M2(-6.8,2.8) M36(6.8,2.8) M37(7.2,2.8) N1(-7.2,2.4) N2(-6.8,2.4) N36(6.8,2.4) N37(7.2,2.4) P2(-6.8,2) P36(6.8,2) R1(-7.2,1.6) R2(-6.8,1.6) R36(6.8,1.6) R37(7.2,1.6) T1(-7.2,1.2) T2(-6.8,1.2) T36(6.8,1.2) T37(7.2,1.2) U2(-6.8,0.8) U36(6.8,0.8) V1(-7.2,0.4) V2(-6.8,0.4) V36(6.8,0.4) V37(7.2,0.4) W1(-7.2,0) W2(-6.8,0) W36(6.8,0) W37(7.2,0) Y2(-6.8,-0.4) Y36(6.8,-0.4)
C0201
  rect 0.3x0.3 smd: 1(-0.25,0) 2(0.25,0)
C0402
  rect 0.5x0.5 smd: 1(-0.425,0) 2(0.425,0)
C0603
  rect 0.76x0.76 smd: 1(-0.71,0) 2(0.71,0)
C0805
  rect 0.9x1.3 smd: 1(-0.95,0) 2(0.95,0)
CA0103021-R
  rect 0.6x0.9 smd: 1(-3.05,0) 5(3.05,0)
  rect 1.5x0.9 smd: 2(-1.65,0) 4(1.65,0)
  rect 1.2x0.9 smd: 3(0,0)
CON-R5S-P1_3-H1_5-R